# Allegro board RK3588S_Template_LP4XD200P232SD10H2_30X30_2133MHz_H1R6_V11_20220218YWQ.brd (continued)
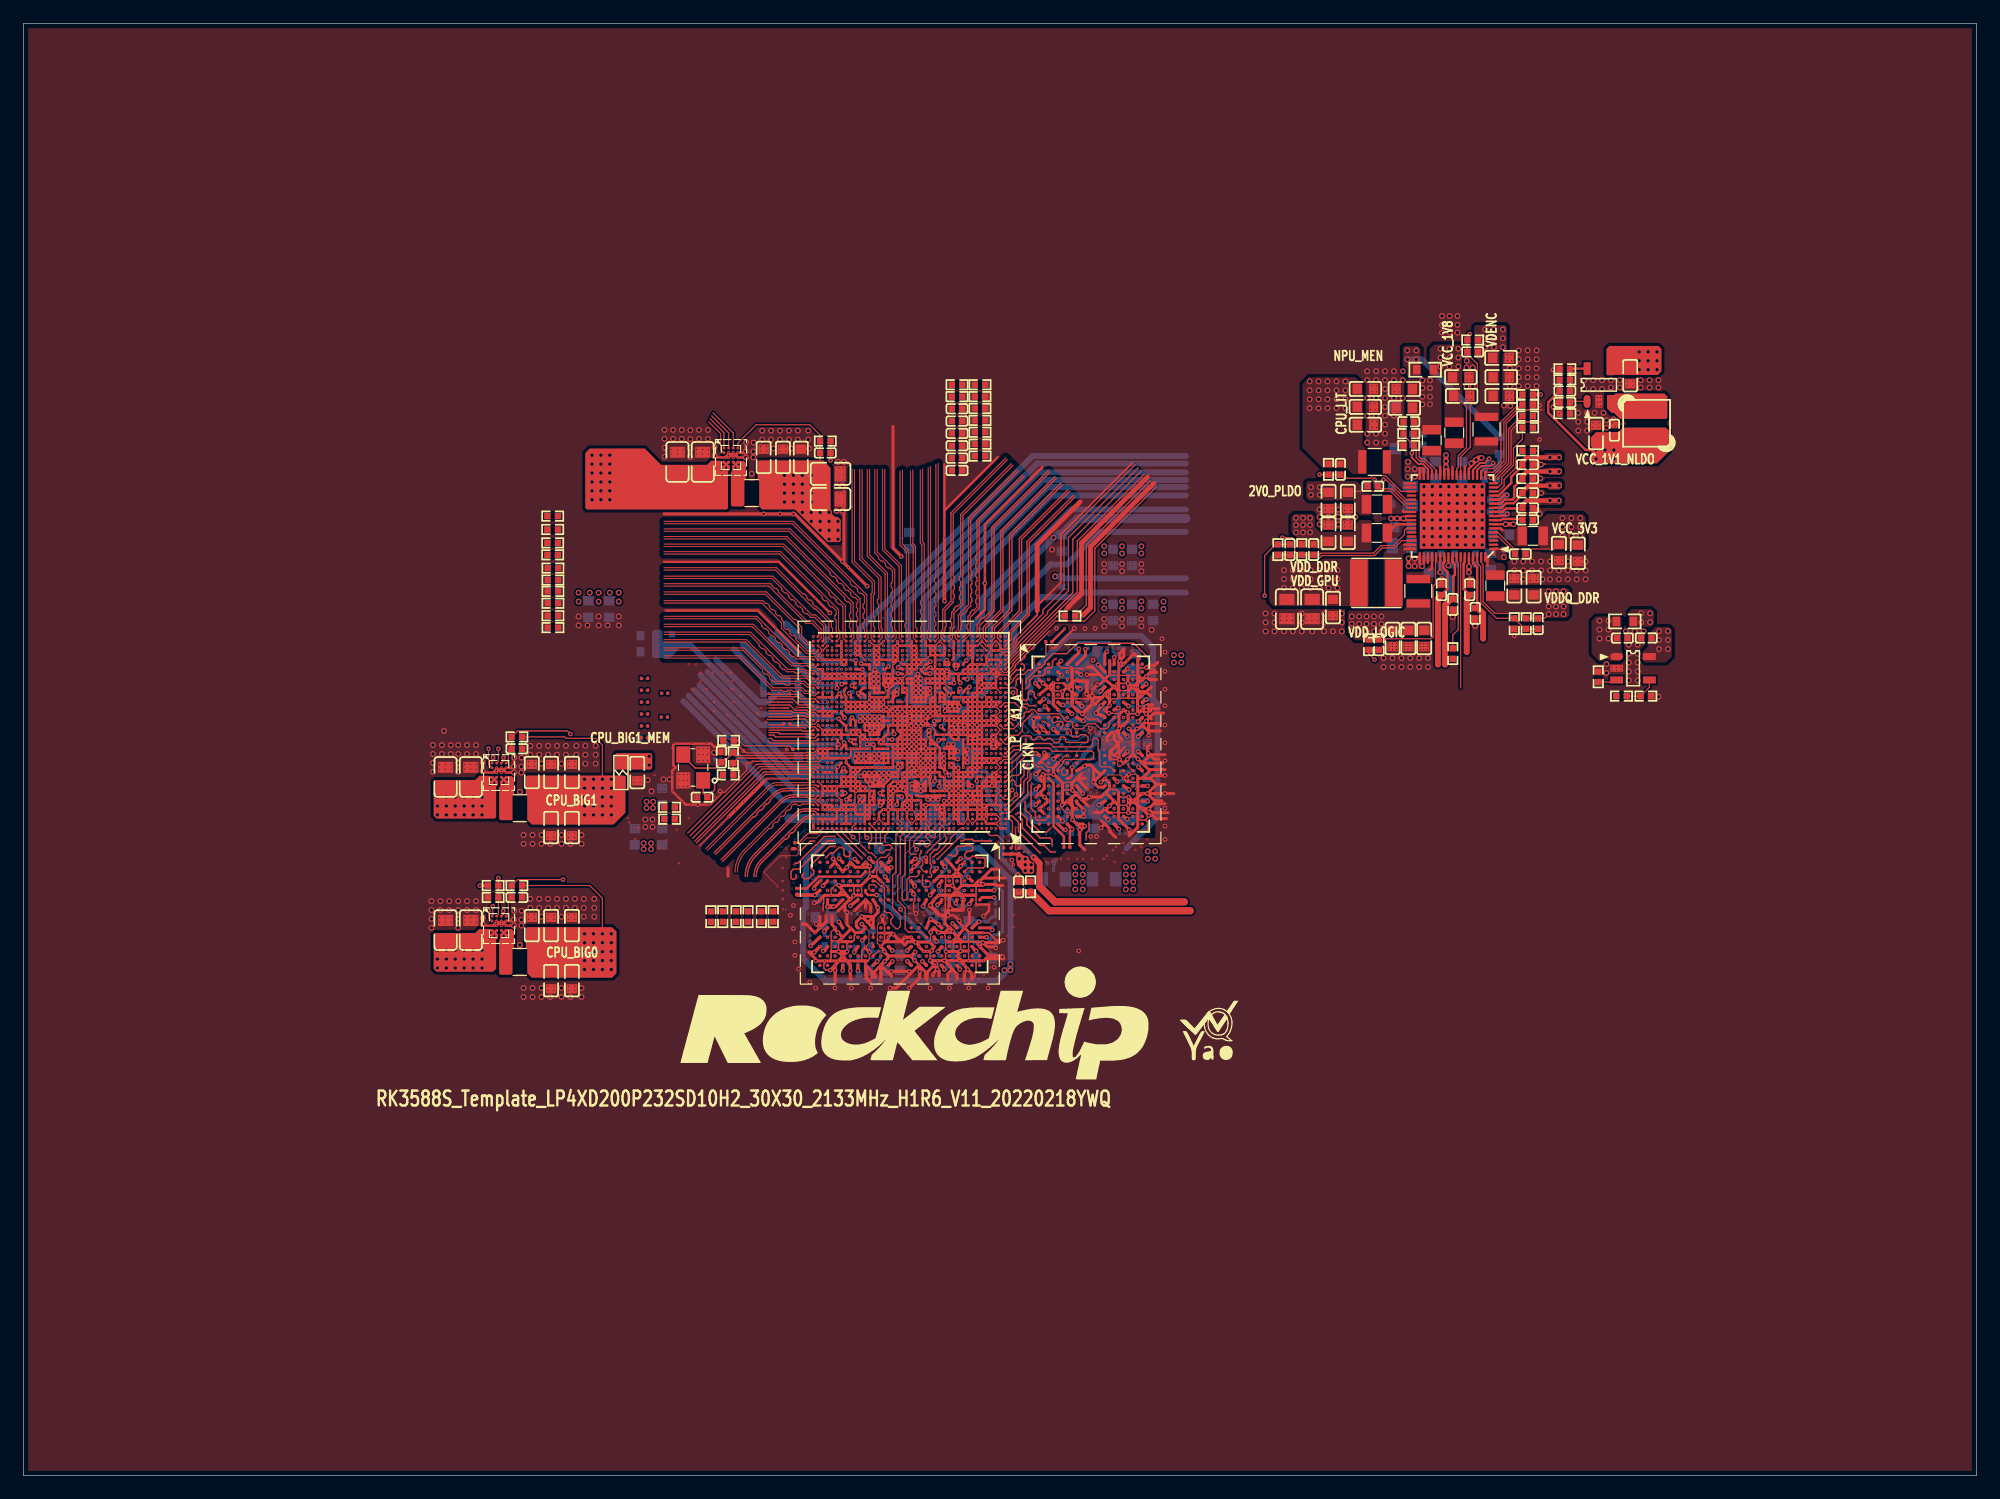
[diagram p0: board, top side]
## Routing (per net, layer and track width the routed paths; a pad name or vN(x,y) marks a point on that pad's centre or on a via; arc(x,y) is an arc through that point) (continued)
VCC1V8_PMU_DDR_S3: length 183.9
  TOP w0.203: U3801.T4 71.95,49.81 72.16,49.61 v1(72.9,49.61) ; U3800.T4 89.38,59.57 89.58,59.78 v1(89.58,60.52) ; U1000.R36 69.89,60.87 v1(69.57,60.55) 69.49,60.48 U1000.N37 ; U1000.V37 69.49,62.33 v1(69.64,62.48) 69.58,62.55 69.58,62.82 U1000.Y37 ; U1000.V36 69.89,62.17 70.08,62.36 70.08,62.37 70.1,62.4 70.1,62.6 v1(70.12,62.62) 70.12,62.57 70.29,62.4 U1000.V35
  TOP w0.254: U3801.U1 v1(71.03,52.67) ; v1(86.52,58.65) U3800.U1
  TOP w0.279: v1(78.69,43.25) U3801.F12 ; v1(78,45.64) 78.01,45.67 U3801.G9 ; v1(87.18,66.36) 86.89,66.07 U3800.F1 ; U3800.U12 v1(96.04,58.92) ; U3801.U12 v1(71.3,43.15) ; U3801.F1 78.45,52.3 v1(78.74,52.02) ; U3800.T9 93.19,59.56 v1(93.45,59.3) ; v1(93.55,65.57) 93.47,65.59 U3800.G9 ; v1(71.68,45.74) 71.94,46 U3801.T9 ; U3801.G4 v1(77.47,49.6) ; U3800.G4 v1(89.59,65.09) ; v1(95.94,66.31) U3800.F12
  L8-S3 w0.203: v4(69.77,62.99) 69.75,63.01 69.75,63.18 69,63.93
  L8-S3 w0.305: v1(70.12,62.62) 70.12,62.69 69.82,62.99 v4(69.77,62.99)
  L8-S3 w0.508: 69,63.93 62.05,63.93 55.88,70.11
  BOTTOM w0.203: v1(70.12,62.62) 70.1,62.64 70.1,62.66 v4(69.77,62.99) ; 69.57,60.7 69.57,60.73
  BOTTOM w0.254: 70.64,53.44 C3887.1 71,52.7 v1(71.03,52.67) ; v1(93.45,59.3) 93.51,59.35 94.62,59.35 95.05,58.92 v1(96.04,58.92) ; v1(72.9,49.61) 73.13,49.61 C3888.1 73.21,49.19 ; v1(71.3,43.15) 71.3,44.15 71.73,44.58 71.73,45.68 v1(71.68,45.74) ; 77.64,49.77 77.64,50.61 78.74,51.71 v1(78.74,52.02) ; v1(87.18,66.36) 87.48,66.36 88.58,65.26 89.42,65.26 ; 95.89,66.31 95.77,66.31 95.62,66.45 95.62,66.55 95.16,67.02 95.06,67.02
  BOTTOM w0.279: C1101.1 69.57,60.7 v1(69.57,60.55) 69.47,60.45 69.3,60.45
  BOTTOM w0.305: 86.06,67.3 C3848.1 ; v1(77.47,49.6) 77.64,49.77 ; 71.53,42.32 71.53,42.93 v1(71.3,43.15) ; 89.42,65.26 v1(89.59,65.09)
  BOTTOM w0.356: C1106.1 v1(69.64,62.48)
  BOTTOM w0.381: 71.53,42.32 71.3,42.55 v1(71.3,43.15) ; 79.4,43.96 79.4,45.26 79.02,45.64 v1(78,45.64) 77.44,45.64 75.4,47.68 74.89,47.68 73.93,48.65 73.75,48.65 73.21,49.19 ; 79.4,43.96 v1(78.69,43.25) ; 79.4,43.96 79.4,42.52 79.63,42.29 ; 95.06,67.02 94.2,67.02 93.55,66.38 v1(93.55,65.57) 93.55,65.07 91.51,63.02 91.51,62.51 90.54,61.55 90.54,61.37 89.69,60.52 v1(89.58,60.52) ; 96.52,66.29 96.5,66.31 v1(95.94,66.31) 95.89,66.31 ; 84.96,57.28 85.95,58.26 C3845.1 86.49,58.62 v1(86.52,58.65)
  BOTTOM w0.457: C1106.1 63.76,62.48
  BOTTOM w0.508: v1(78.74,52.02) 78.74,52.45 79.88,53.59 81.67,53.59 84.33,50.94 v5(84.33,43.69) 84.33,43.43 ; 73.07,42.29 68.51,42.29 66.6,44.2 66.6,48.31 66.85,48.56 66.85,52.49 68.59,54.23 69.85,54.23 70.64,53.44 ; 73.07,42.29 83.18,42.29 84.33,43.43 ; 73.07,42.29 C3883.1 ; v5(118.24,95.38) v5(119,95.38) 119.47,95.38 R2210.1 ; 94.23,53.59 96.9,56.26 96.9,65.91 96.52,66.29 96.52,70.74 95.5,71.75 89.28,71.75 85.85,68.33 85.85,67.5 86.06,67.3 ; 63.76,62.48 63.76,62.48 ; 63.76,62.48 65.79,60.45 69.3,60.45 69.57,60.73 ; 63.76,62.48 57.85,68.39 ; 84.33,43.43 v5(84.33,43.18)
  vias: v5(83.82,43.18) v5(96.06,53.34) v5(96.06,52.7) v5(96.7,53.34) v5(96.7,52.7) v5(118.24,96.14) v5(119,96.14)
VCC_1V1_NLDO_S3: length 13.5
  TOP w0.203: v1(126.78,82.17) 126.75,82.17 126.62,82.05 126.24,82.05 126.18,81.99 U2200.9 ; v1(126.75,83.79) 126.52,83.79 126.12,83.39 U2200.13 ; R2306.1 C2326.1 130.28,91.7 130.28,90.83 133.48,87.63 v5(134.37,87.63)
  BOTTOM w0.508: v1(126.78,82.17) 126.43,82.17 C2264.1 C2257.1 126.63,83.79 v1(126.75,83.79)
  vias: v5(134.37,86.87) v5(135.13,87.63) v5(135.13,86.87) v5(135.89,87.63) v5(135.89,86.87)
VCC_1V8_S0: length 42.8
  TOP w0.203: v1(80.01,67.23) 79.89,67.12 U1000.AK11 ; U1000.AJ34 70.69,66.72 v1(70.56,66.85) ; U2200.60 122.1,78.05 122.11,78.04 122.11,78.04 122.3,77.85 122.3,76.96 122.17,76.83 122.17,74.94 C2246.1 ; 71.51,58.1 v1(71.42,58.01) 71.42,57.56 v1(71.48,57.51) 71.63,57.51 71.82,57.7 U1000.G31 U1000.H31 71.51,58.1 ; 73.29,57.25 v1(73.2,57.25) 73.09,57.36 U1000.G28 U1000.G27 73.49,57.45 73.29,57.25
  TOP w0.508: C2246.1 121.97,74.89 121.46,74.38 121.46,69.29
  L8-S3 w0.203: v1(70.56,66.85) 70.36,67.06 70.36,67.82 70.15,68.02 69.39,68.02
  L8-S3 w0.254: v4(79.38,71.12) v4(79.38,70.87) 79.38,69.43 79.25,69.31 79.25,68.72 79.38,68.6 79.38,68.2 79.07,67.9 79.07,67.54 79.38,67.23 v1(80.01,67.23)
  L8-S3 w0.508: v4(64.89,68.07) 64.94,68.12 69.29,68.12 69.39,68.02
  BOTTOM w0.203: 71.9,57.28 C1508.1
  BOTTOM w0.254: C1508.1 71.86,58.01 v1(71.42,58.01)
  BOTTOM w0.279: v1(70.56,66.85) 70.66,66.95 C1906.1
  BOTTOM w0.305: C1902.1 72.98,57.25 v1(73.2,57.25) ; v1(71.48,57.51) 71.36,57.39 C1903.1 71.36,56.44 71.05,56.13 ; v1(71.48,57.51) 71.42,57.56 v1(71.42,58.01) ; v1(71.48,57.51) 71.67,57.51 71.9,57.28 ; v1(80.01,67.23) 80.13,67.11 C1302.1
  BOTTOM w0.508: v4(79.38,70.87) v4(79.38,71.12) 78.92,71.57 R1401.2 ; R1909.2 R1927.2 64.14,68.32 61.47,70.99
  BOTTOM w0.762: 65.4,56.13 71.05,56.13
  vias: v4(64.64,68.07) v4(64.64,67.82) v4(64.89,67.82)
VCC_1V8_S3: length 23.6
  TOP w0.102: U2200.25 122.45,86 122.6,86.15 122.6,87.14 123.29,87.83 123.29,91.34 122.81,91.82
  TOP w0.305: R2261.1 v1(129.63,92.36)
  L8-S3 w0.305: v5(122.6,94.76) 122.6,94.66 123.15,94.11 124.59,94.11 126.33,92.36 v1(129.63,92.36)
  BOTTOM w0.508: 59.18,69.72 62.79,66.12 63.63,66.12 64.14,66.63 R1928.2 R1908.2
  vias: v5(121.07,96.28) v5(121.07,95.52) v5(121.07,94.76) v5(121.84,96.28) v5(121.84,95.52) v5(121.84,94.76) v5(122.6,96.28) v5(122.6,95.52)
VCC_1V8_S3_PLDO6: length 4.1
  TOP w0.152: U2200.20 124.2,85.9 124.57,86.27 125.32,86.27 v1(125.57,86.52)
  BOTTOM w0.381: v1(125.57,86.52) 125.57,86.32 C2248.1 126.11,86.19 R2210.2
VCC_2V0_PLDO_S3: length 7.6
  TOP w0.102: 112.9,84.14 112.94,84.1 116.84,84.1 117.22,83.72 117.22,83.7 118.24,82.69 U2200.41
  TOP w0.152: U2200.59 v5(121.75,77.77)
  BOTTOM w0.508: v5(121.75,77.77) 122.2,77.77 C2247.1
  vias: v5(110,84.45) v5(110,83.8) v5(110.76,84.45) v5(110.76,83.8)
VCC_3V3_S0: length 17.6
  TOP w0.203: U1000.AL33 71,67.3 v1(70.8,67.51) 70.99,67.7 U1000.AM33
  L6-S2 w0.203: 69.65,68.02 70.28,68.02
  L6-S2 w0.254: 68.85,68.82 69.65,68.02 ; 70.28,68.02 v1(70.8,67.51)
  L6-S2 w0.508: 68.85,68.82 62.48,75.18 v3(62.48,80.14)
  BOTTOM w0.279: v1(70.8,67.51) 70.87,67.58 C1907.1
  vias: v5(134.66,73.04) v5(134.66,72.28) v5(134.66,71.52) v5(135.42,73.04) v5(135.42,72.28) v5(135.42,71.52)
VCC_3V3_S3: length 7
  TOP w0.102: U2200.5 125.97,80.59 127.39,79.17 130.79,79.17 C2239.1
  TOP w0.203: R2302.1 v1(38.99,50.42)
  vias: v5(131.49,81.81) v5(131.49,81.04) v5(131.49,80.28) v5(132.25,81.81) v5(132.25,81.04) v5(132.25,80.28) v5(133.01,81.81) v5(133.01,81.04) v5(133.01,80.28) v5(139.74,72.15) v5(139.74,71.39) v5(139.74,70.63) v5(140.5,72.15) v5(140.5,71.39) v5(140.5,70.63)
VCC_5V0_PWREN_H: length 14.4
  L3-S1 w0.076: v2(73.89,70.1) 74.29,70.5 74.29,72.64 74.14,72.8
  L3-S1 w0.102: 74.14,84.23 74.14,72.8
VCC_SYSIN: length 41.2
  TOP w0.102: v5(118.87,85.34) 119.02,85.49 U2200.34 ; v5(118.35,78.36) 118.39,78.36 118.39,78.36 v5(118.87,78.36) v5(118.87,77.7)
  TOP w0.203: 58.44,86.19 58.84,86.59 59.85,86.59 ; 58.44,86.19 U2302.E1 ; 58.44,86.19 C2317.1 ; U2200.43 118.12,81.99 v5(117.91,81.78) 118.05,81.64 U2200.44 ; U2200.54 120,77.99 ; v5(126.65,81.29) U2200.7 ; U2302.E1 59.85,86.2 U2302.D2 ; U2302.E1 59.85,85.6 ; U2200.33 119.65,85.96 119.51,86.11 ; 59.85,85.6 59.85,85 58.99,84.14 ; 59.85,85.6 60.25,86 U2302.E2 59.85,86.59 ; U2200.64 v5(123.5,77.67) ; 59.85,86.59 U2302.D1 ; U2200.22 123.5,86.04 123.7,86.23 v5(123.7,86.49) ; v5(39.18,44.13) 40.04,44.99 40.04,45.59 ; U2300.E1 38.63,46.19 ; U2300.E1 U2300.D2 ; U2300.E1 40.04,45.59 ; 38.63,46.19 C2301.1 ; 38.63,46.19 39.03,46.59 U2300.D1 U2300.E2 40.44,45.99 40.04,45.59 ; U2200.27 121.75,85.97 v5(121.54,86.18) 121.4,86.04 U2200.28 ; U2301.E1 38.63,59.27 ; U2301.E1 U2301.D2 ; U2301.E1 40.04,58.07 v5(39.18,57.21) ; 38.63,59.27 C2302.1 ; 38.63,59.27 39.03,59.67 U2301.D1 U2301.E2 40.44,59.07 40.04,58.67 ; 119.25,86.11 119.3,86.06 U2200.34 ; U2200.53 119.65,78 ; 125.6,78.69 U2200.1 126.04,79.19 ; v5(118.87,78.36) 119,78.49 U2200.52 119.3,77.9
  TOP w0.254: v5(118.35,77.7) v5(118.35,78.36)
  TOP w0.381: v5(127.31,81.29) v5(126.65,81.29) ; v5(121.54,86.18) v5(121.54,86.68) v5(121.54,87.19) ; v5(117.91,81.78) v5(117.37,81.78) v5(116.84,81.78)
  TOP w0.406: v5(123.5,77.17) v5(123.5,77.67) ; v5(124.59,86.95) 124.33,86.95 124.18,86.79 v5(124.11,86.79) 123.8,86.49 v5(123.7,86.49)
  BOTTOM w0.104: v5(118.87,85.34) v5(118.87,86)
  vias: v5(35.37,57.98) v5(35.37,57.21) v5(35.37,56.45) v5(35.37,44.89) v5(35.37,44.13) v5(35.37,43.37) v5(36.13,57.98) v5(36.13,57.21) v5(36.13,56.45) v5(36.13,44.89) v5(36.13,44.13) v5(36.13,43.37) v5(36.9,57.98) v5(36.9,57.21) v5(36.9,56.45) v5(36.9,44.89) v5(36.9,44.13) v5(36.9,43.37) v5(37.66,57.98) v5(37.66,57.21) v5(37.66,56.45) v5(37.66,44.89) v5(37.66,44.13) v5(37.66,43.37) v5(38.42,57.98) v5(38.42,57.21) v5(38.42,56.45) v5(38.42,44.89) v5(38.42,44.13) v5(38.42,43.37) v5(39.18,57.98) v5(39.18,56.45) v5(39.18,44.89) v5(39.18,43.37) v5(48.58,87.19) v5(48.58,86.43) v5(48.58,85.66) v5(48.58,84.9) v5(48.58,84.14) v5(48.58,83.38) v5(49.34,87.19) v5(49.34,86.43) v5(49.34,85.66) v5(49.34,84.9) v5(49.34,84.14) v5(49.34,83.38) v5(50.1,87.19) v5(50.1,86.43) v5(50.1,85.66) v5(50.1,84.9) v5(50.1,84.14) v5(50.1,83.38) v5(118.3,86.61) v5(118.27,86) v5(118.27,85.34) v5(119.51,77.7) v5(126.49,79.12) v5(126.49,78.47) v5(138.05,96.01) v5(138.05,95.25) v5(138.05,94.49) v5(138.81,96.01) v5(138.81,95.25) v5(138.81,94.49) v5(139.57,96.01) v5(139.57,95.25) v5(139.57,94.49)
VCCA: length 3.3
  TOP w0.152: U2200.21 123.85,85.93 124.44,86.52 124.87,86.52 v1(125.22,86.88)
  BOTTOM w0.381: C2254.1 125.08,86.22 125.08,86.72 125.22,86.86 v1(125.22,86.88)
VCCA_1V8_S0: length 293.2
  TOP w0.178: v1(79.08,66.69) 79.13,66.69 79.35,66.9 U1000.AK12
  TOP w0.203: U1000.AM35 70.04,67.7 69.95,67.61 v1(69.93,67.61) ; U1000.AB25 74.29,63.53 74.4,63.42 v1(74.4,63.37) ; v1(79.08,66.69) 79.08,66.84 78.69,67.23 U1000.AL14 ; v1(71.58,69.39) 71.67,69.3 U1000.AT30 U1000.AR30 ; v1(74.74,69.05) 74.83,68.96 75.01,68.96 75.07,68.9 U1000.AR23 ; C2249.1 121.67,75.75 121.67,77.21 121.3,77.58 121.3,77.95 121.39,78.04 121.39,78.04 121.4,78.05 U2200.58 ; 70.08,60.39 69.89,60.2 U1000.N36 ; 70.08,60.39 v1(70.08,60.44) ; 70.08,60.39 70.29,60.19 U1000.N35 ; v1(74.73,68.53) 74.92,68.53 74.95,68.5 U1000.AP23
  TOP w0.229: U1000.G34 70.39,57.7 v1(70.33,57.76) 70.67,58.1 U1000.H34
  TOP w0.508: C2249.1 120.85,74.94 120.85,69.29
  TOP w0.635: 99.69,48.26 87.64,48.26 R2274.1
  L6-S2 w0.152: 78.66,67.79 78.77,67.79 79.32,68.35 79.32,68.64 79.2,68.76 79.2,69.16 79.38,69.34 79.38,70.71
  L6-S2 w0.254: 79.38,70.71 79.33,70.71 78.46,69.85 78.46,67.99 78.66,67.79
  L6-S2 w0.457: v1(79.08,66.69) 78.67,67.11 78.67,67.74 78.66,67.74 78.66,67.79 ; v5(88.15,76.83) 81.98,76.83 81.38,76.23 81.38,75.54 80.21,74.37 80.21,71.45 79.48,70.71 79.38,70.71
  L8-S3 w0.191: 72.06,63.25 71.04,64.27
  L8-S3 w0.203: v1(74.4,63.37) 74.37,63.35 73.89,63.35 73.79,63.25 72.42,63.25 72.06,63.25 ; 71.04,64.27 69.34,64.27 69.06,64.54
  L8-S3 w0.254: v1(74.73,68.53) 74.82,68.53 75.17,68.87 75.17,69.71
  L8-S3 w0.305: 75.17,69.71 75.19,69.73 75.19,71.82 74.37,72.64
  L8-S3 w0.508: 74.37,72.64 72.39,72.64 63.8,81.23 63.8,85.77 64.52,86.49 67.56,86.49 68.71,87.63 108.15,87.63 ; v4(66.78,64.54) v4(67.03,64.54) 69.06,64.54
  BOTTOM w0.254: 75.61,70.87 C1404.1 C1403.1 75.61,69.72 75.35,69.47 75.07,69.47 74.74,69.14 v1(74.74,69.05) ; C1104.1 74.4,63.37 v1(74.4,63.37) ; v1(70.08,60.44) 70.08,60.2 ; 68.93,68.2 69.09,68.2
  BOTTOM w0.279: v1(71.58,69.39) 71.58,70.12 C1609.1 C1610.1 71.43,71.43 ; C1600.1 70.15,67.84 v1(69.93,67.61) 69.7,67.84 C1601.1 69.61,67.88 69.41,67.88 69.09,68.2 ; v1(74.73,68.53) 74.6,68.53 74.4,68.73 C1506.1 ; 69.72,59.79 C1100.1 70.08,59.84 70.08,60.2 ; C1802.1 70.64,58.07 v1(70.33,57.76)
  BOTTOM w0.305: v1(70.33,57.76) 70.34,57.75 C1803.1 70.08,57.15 68.83,57.15 68.33,57.66 64.9,57.66
  BOTTOM w0.508: 75.61,70.87 75.61,74.59 86.74,85.72 99.31,85.72 ; 69.72,59.79 65.52,59.79 57.76,67.54 ; v5(88.15,76.83) C1716.1 88.89,76.67 99.31,76.67 ; 68.93,68.2 68.32,68.2 64.43,72.09 ; 58.43,68.67 62.97,64.13 C1114.1 ; R1402.2 77.6,74.55 87.5,84.45 99.31,84.45 ; 71.43,71.43 71.43,72.31 86.23,87.12 99.31,87.12 ; 56.39,66.17 64.9,57.66
  vias: v4(66.55,64.54)
VCCA_3V3_S0: length 35.5
  TOP w0.203: v1(80.57,69.65) 80.29,69.37 U1000.AT10 ; C2251.1 123.05,75.76 123.05,77.85 123.05,77.86 123.05,77.95 123.15,78.05 U2200.63
  TOP w0.508: 123.32,70.36 123.32,74.99 C2251.1
  BOTTOM w0.254: C1405.1 80.79,69.87 v1(80.57,69.65)
  BOTTOM w0.406: C1405.1 81.1,69.9 81.1,70.23
  BOTTOM w0.508: 81.1,70.23 81.1,72.72 81.91,73.53 81.91,74.94 89.53,82.55 99.31,82.55
  vias: v5(138.22,73.68) v5(138.22,72.92) v5(138.98,73.68) v5(138.98,72.92)
VCCIO5: length 15.6
  TOP w0.203: U1000.AC34 70.69,64.67 v1(70.79,64.77) 71.09,64.47 U1000.AC33
  L8-S3 w0.254: 68.79,65.16 70.38,65.16 70.76,64.77 v1(70.79,64.77)
  L8-S3 w0.508: v4(63.24,67.18) 65.27,65.16 68.79,65.16
  BOTTOM w0.279: v1(70.79,64.77) 70.56,64.54 C1905.1
  BOTTOM w0.508: R1928.1 v4(63.24,67.18) v4(63.24,67.44) R1927.1 63.24,68.08 60.71,70.61
  vias: v4(62.99,67.44) v4(62.99,67.18)
VCCIO5_1V8: length 6.6
  TOP w0.203: v1(70.15,64.73) 70.15,64.85 69.89,65.11 U1000.AF36
  BOTTOM w0.203: C1904.1 69.73,65.15 69.81,65.07 69.85,65.07 70.15,64.77 v1(70.15,64.73)
  BOTTOM w0.254: 68.58,65.53 68.96,65.53 69.34,65.15 C1904.1
  BOTTOM w0.508: 68.58,65.53 67.85,65.53 67.72,65.66 67.32,65.66 R1908.1 R1909.1
VCCIO_FLASH: length 18.2
  TOP w0.203: U1000.AB35 U1000.AC35 70.17,64.1 69.65,64.62 v1(69.65,64.67)
  BOTTOM w0.254: v1(69.65,64.67) 68.85,64.67 C1300.1
  BOTTOM w0.508: C4003.1 56.99,70.97 62.91,65.05 67.48,65.05 67.74,64.79 C1300.1
VCCIO_SD_S0: length 33.2
  TOP w0.178: U1000.AK10 80.39,67 80.39,67.08 80.57,67.26 80.7,67.26 v1(80.82,67.39)
  TOP w0.203: C2253.1 124.21,74.29 124.21,77.6 124.08,77.72 124.08,77.73 123.85,77.96 U2200.65
  TOP w0.508: C2253.1 124.25,74.13 124.71,73.66 124.71,71.5
  BOTTOM w0.254: C1301.1 80.74,67.27 80.82,67.36 v1(80.82,67.39)
  BOTTOM w0.305: 81.15,66.67 81.04,66.79 C1301.1
  BOTTOM w0.406: 83.74,69.18 82.42,67.86 82.42,67.2 81.9,66.67 81.15,66.67
  BOTTOM w0.457: 83.74,69.18 83.74,69.58 84.67,70.51 84.67,70.74
  BOTTOM w0.508: 99.31,75.45 90.43,75.45 90.04,75.06 86.99,75.06 84.67,72.73 84.67,70.74
VDD2_DDR_S3: length 82.8
  TOP w0.102: R2218.1 119.25,88.59 119.25,87.03 119.41,86.88 119.74,86.88 120.7,85.92 U2200.30
  TOP w0.203: v1(89.59,55.24) 89.41,55.05 89.41,53.98 89.4,53.97 R3801.2
  TOP w0.254: 91.44,59.27 v1(91.42,59.25) 91.85,58.82 92.29,58.82 U3800.U8 ; 91.44,59.27 92.03,59.86 ; 91.44,59.27 91.44,60.45 ; U3801.R1 v1(72.28,52.72) ; v1(71.63,47.77) 72.15,47.26 ; v1(71.63,47.77) 72.67,47.77 ; v1(71.63,47.77) 71.16,47.3 71.16,46.95 U3801.U8 ; 72.15,47.26 U3801.R8 72.6,47.71 ; 72.15,47.26 72.6,47.71 ; 72.6,47.71 72.67,47.77 ; 72.67,47.77 73,48.11 v1(73,48.53) ; v1(86.31,64.66) 86.31,63.97 v1(86.51,63.77) ; U3801.A4 v1(82.93,50) ; 92.03,59.86 U3800.R8 ; 92.03,59.86 91.44,60.45 ; U3800.A4 90.18,70.31 v1(90.18,70.63) ; 91.44,60.45 91.19,60.71 90.74,60.71 v1(90.66,60.62) ; U3801.N1 74.09,52.58 v1(74.09,52.71) ; U3800.N1 86.61,61.71 v1(86.48,61.71) ; U3801.A9 v1(82.3,46) ; U3800.R1 86.5,59.93 v1(86.5,59.93) ; U3800.A9 v1(93.19,69.92)
  TOP w0.279: U3801.N12 v1(74.24,43.94) ; v1(88.01,63.78) 88.32,63.47 U3800.K3 ; U3800.R5 v1(90.66,60.62) ; U3801.K3 76.13,50.35 v1(76.15,50.34) ; U3801.F8 v1(78.18,47.11) 77.53,47.53 77.53,47.54 v1(77.52,47.54) 77.45,47.51 U3801.H8 ; U3800.K10 v1(94.33,63.14) ; v1(86.31,64.66) 86.43,64.77 U3800.H1 ; v1(86.51,63.77) 86.51,63.75 U3800.K1 ; v1(76.2,52.7) 76.15,52.7 75.85,52.4 U3801.K1 ; v1(90.56,64.48) U3800.H5 ; U3801.N3 73.63,51.15 v1(73.63,51.17) ; U3800.F5 90.22,66 90.33,65.78 v1(90.42,65.75) ; U3800.AB4 v1(89.59,55.24) ; U3800.H12 v1(95.25,64.44) ; U3800.AB9 93.59,55.25 v1(93.6,55.24) ; U3801.AB9 67.26,45.26 v1(67.26,45.26) ; U3801.R5 v1(73,48.53) ; U3800.N10 v1(94.33,61.86) ; U3800.K12 v1(95.25,63.14) ; U3800.N3 v1(88.02,61.23) ; U3801.K12 v1(75.51,43.94) ; U3801.R12 v1(72.94,43.94) ; v1(76.86,48.63) U3801.H5 ; U3801.H1 77.15,52.73 v1(77.09,52.8) ; U3801.F5 78.38,48.97 78.13,48.84 v1(78.1,48.77) ; U3800.H8 92.36,64.85 v1(91.65,65.14) 91.65,65.15 91.66,65.15 v1(92.08,65.8) U3800.F8 ; v1(90.51,58.28) U3800.U5 ; U3800.N12 v1(95.25,61.86) ; U3800.R12 v1(95.28,60.54) ; U3801.K10 v1(75.51,44.86) ; v1(70.66,48.69) U3801.U5 ; U3801.H12 v1(76.81,43.94) ; U3801.AB4 v1(67.61,49.6) ; U3801.N10 v1(74.24,44.86)
  TOP w0.305: v1(67.61,49.6) 66.13,49.6 R3803.2
  BOTTOM w0.102: C3868.1 72.55,51.54 72.2,51.54 71.28,50.62 71.28,49.31 70.66,48.69 v1(70.66,48.69)
  BOTTOM w0.254: 78.01,48.08 78.01,47.57 ; 78.01,48.08 78.01,48.51 78.1,48.61 v1(78.1,48.77) ; 78.01,48.08 77.42,48.08 ; 78.01,47.57 77.52,47.57 ; 78.01,47.57 78.01,47.28 v1(78.18,47.11) ; C3875.1 67.67,49.55 v1(67.61,49.6) ; v1(77.09,52.8) 76.79,52.8 C3880.1 76.37,52.7 v1(76.2,52.7) ; 77.52,47.57 v1(77.52,47.54) 77.52,47.57 ; 77.52,47.57 77.47,47.62 77.47,48.03 77.42,48.08 ; v1(88.02,61.23) 87.89,61.11 87.17,61.11 86.57,61.71 v1(86.48,61.71) ; 93.45,70.17 C3829.1 ; 93.45,70.17 93.34,70.17 93.09,70.43 93.09,70.94 92.84,71.19 90.12,71.19 89.87,70.94 C3835.1 v1(90.18,70.63) ; 93.45,70.17 v1(93.19,69.92) ; 91.12,65.04 91.12,65.63 ; 91.12,65.04 91.17,65.09 91.57,65.09 91.62,65.14 ; 91.12,65.04 v1(90.56,64.48) ; 91.12,65.63 90.68,65.63 90.58,65.73 90.45,65.73 v1(90.42,65.75) ; 91.12,65.63 91.62,65.63 ; v1(86.51,63.77) 86.49,63.79 86.49,64.15 86.62,64.28 ; v1(95.28,60.54) 95.02,60.8 C3839.1 ; 77.42,48.08 v1(76.86,48.63) ; v1(82.3,46) 82.55,45.74 ; 82.55,45.74 C3871.1 ; 82.55,45.74 82.55,45.85 82.93,46.23 83.39,46.23 83.64,46.48 83.64,49.96 83.39,50.21 C3872.1 83.01,50.08 v1(82.93,50) ; v1(73,48.53) 73.03,48.5 73.03,48.18 ; v1(92.08,65.8) 91.91,65.63 91.62,65.63 ; C3837.1 89.65,55.18 v1(89.59,55.24) ; 91.62,65.14 v1(91.65,65.14) 91.62,65.14 ; 91.62,65.14 91.62,65.63 ; v1(72.94,43.94) 73.21,44.2 C3877.1 ; 91.01,60.65 90.69,60.65 v1(90.66,60.62) ; C3834.1 93.66,55.18 v1(93.6,55.24) ; v1(74.09,52.71) 74.09,52.63 73.49,52.02 73.49,51.32 v1(73.63,51.17)
  BOTTOM w0.305: v1(76.15,50.34) 76.18,50.37 76.18,50.74 ; C3873.1 67.23,45.29 v1(67.26,45.26) ; v1(88.01,63.78) 88.04,63.78 88.06,63.8 88.45,63.8
  vias: v5(94.19,51.99) v5(94.19,51.36) v5(94.19,50.72) v5(94.19,50.09) v5(94.82,51.99) v5(94.82,51.36) v5(94.82,50.72) v5(94.82,50.09) v5(119.52,93.58) v5(119.52,92.93) v5(119.52,92.18) v5(119.52,91.53) v5(120.18,93.58) v5(120.18,92.93) v5(120.18,92.18) v5(120.18,91.53)
VDD_0V75_S3: length 25.1
  TOP w0.203: U1000.AJ37 69.49,66.57 v1(69.72,66.8) 69.72,66.75 69.89,66.58 U1000.AJ36 ; U2200.14 126.04,83.74 127.12,84.81 127.12,85.33 128.07,86.29 C2255.1
  TOP w0.381: C2255.1 128.07,86.61 128.45,87 v5(130.43,87) v5(131.21,87)
  L8-S3 w0.279: v1(69.72,66.8) 69.68,66.84 69.03,66.84
  L8-S3 w0.305: 68.61,66.42 69.03,66.84
  L8-S3 w0.508: 68.61,66.42 65.15,66.42 57.57,74
  BOTTOM w0.254: 69.93,67.01 v1(69.72,66.8) 69.27,66.34
  BOTTOM w0.279: C1125.1 69.27,66.34 ; 69.93,67.01 C1105.1
VDD_CPU_BIG0_S0: length 90
  TOP w0.102: U2300.A4 41.43,47.98 41.43,49.12 C2306.2 R2300.2 42.22,50.93 v1(46.1,50.93) ; C2306.1 R2300.1 48.39,50.42 49.47,49.34 v5(49.47,46.29)
  TOP w0.203: v1(73.53,60.05) 73.53,59.72 v1(73.46,59.64) ; v1(73.53,60.05) 73.54,60.06 73.93,60.06 ; v1(73.53,60.05) v1(73.13,60.05) ; 73.89,60.1 v2(74.7,60.1) 74.73,60.13 v1(74.73,60.53) ; 73.89,60.1 U1000.N25 ; 73.89,60.1 73.93,60.06 ; v1(72.35,59.09) 72.29,59.03 ; v1(72.35,59.09) 72.49,59.23 v1(72.8,59.23) ; v1(72.35,59.09) 72.23,59.09 71.93,59.39 71.93,59.7 ; 72.29,59.03 U1000.M30 ; 72.29,59.03 U1000.K30 U1000.K29 ; v1(73.46,59.64) 73.46,59.43 73.25,59.23 73.17,59.23 ; v1(73.46,59.64) 73.15,59.64 U1000.M28 ; v1(73.46,59.64) v1(73.9,59.64) ; U1000.K27 73.49,59.01 73.9,59.42 v1(73.9,59.64) ; U1000.K27 73.17,59.23 ; U1000.K27 U1000.K28 ; v1(74.73,60.53) 74.69,60.56 U1000.R24 U1000.R23 U1000.P23 ; v1(74.73,60.53) 74.75,60.5 U1000.P23 ; v1(73.9,59.64) 73.9,60.01 v1(73.95,60.06) 73.93,60.06 ; v1(73.9,59.64) 74.04,59.64 74.1,59.7 U1000.M25 ; U1000.P23 75.09,60.5 v2(75.06,60.5) ; 73.06,60.01 73.09,60.01 v1(73.13,60.05) ; 73.06,60.01 73.09,59.98 U1000.M28 ; 73.06,60.01 72.74,59.7 ; 73.17,59.23 v1(72.8,59.23) ; v1(72.8,59.23) 72.69,59.12 ; v1(72.8,59.23) 73.09,58.94 ; U1000.M30 71.93,59.7 ; U1000.M30 U1000.M29 ; U1000.M30 72.29,60.01 v1(72.27,60.04) ; 71.93,59.7 v1(72.27,60.04) ; 71.93,59.7 71.89,59.7 ; v1(73.13,60.05) v1(72.69,60.05) ; U1000.K28 U1000.K29 ; U1000.K28 73.09,58.94 ; U1000.K29 72.69,59.12 ; 73.09,58.94 U1000.M28 ; U1000.N25 U1000.M25 ; U1000.N25 U1000.N24 U1000.M24 U1000.M25 ; U1000.M29 72.69,59.12 ; U1000.M29 72.69,59.7 v1(72.69,60.05) ; U1000.M29 72.74,59.7 ; U1000.M28 72.74,59.7 ; v1(72.69,60.05) 72.28,60.05 v1(72.27,60.04) ; v1(72.27,60.04) v1(71.86,60.04) ; 71.89,59.7 71.89,60.01 v1(71.86,60.04) ; 71.89,59.7 71.62,59.7 v1(71.55,59.77) 71.82,60.04 v1(71.86,60.04)
  L2-GND1 w0.254: v2(75.06,60.5) 74.75,60.5 v1(74.73,60.53) 74.73,60.13 v2(74.7,60.1)
  L2-GND1 w0.305: v1(73.53,60.05) 73.46,59.97 v1(73.46,59.64) v1(73.9,59.64) 73.95,59.69 v1(73.95,60.06) 73.94,60.05 v1(73.53,60.05) ; v1(73.53,60.05) v1(73.13,60.05) v1(72.69,60.05) 72.69,60.04 v1(72.27,60.04) v1(71.86,60.04) 71.82,60.04 v1(71.55,59.77)
  L3-S1 w0.203: 74.98,60.1 v3(75.03,60.15) 75.06,60.17 v2(75.06,60.5) 75.03,60.53 v1(74.73,60.53) 74.7,60.5 v2(74.7,60.1) 74.98,60.1
  L3-S1 w0.305: v1(73.53,60.05) v1(73.13,60.05) v1(72.69,60.05) 72.28,60.05 v1(72.27,60.04) v1(71.86,60.04) 71.59,59.77 v1(71.55,59.77) ; v1(73.53,60.05) 73.53,59.72 v1(73.46,59.64) v1(73.9,59.64) ; v1(73.53,60.05) 73.54,60.06 v1(73.95,60.06) ; v1(72.8,59.23) 72.67,59.09 v1(72.35,59.09)
  L5-POWER2 w0.102: 69.47,59.82 69.06,60.22 64.19,60.22 60.94,56.98 56.65,56.98 54.12,54.45 49.27,54.45 46.1,51.28 v1(46.1,50.93) ; v1(73.53,60.05) 73.56,60.07 73.91,60.07 73.93,60.06 v1(73.95,60.06)
  L6-S2 w0.203: v1(73.95,60.06) 74.26,60.06 v1(74.73,60.53)
  L8-S3 w0.305: v1(71.55,59.77) 71.59,59.77 v1(71.86,60.04) v1(72.27,60.04) 73.93,60.04 v1(73.95,60.06) 73.95,59.69 v1(73.9,59.64) v1(73.46,59.64) 73.46,59.97 v1(73.53,60.05) ; v1(74.73,60.53) 75.03,60.22 v3(75.03,60.15)
  L9-GND3 w0.305: v1(71.55,59.77) 71.59,59.77 v1(71.86,60.04) v1(72.27,60.04) 73.93,60.04 v1(73.95,60.06) 73.95,59.69 v1(73.9,59.64) v1(73.46,59.64) 73.46,59.97 v1(73.53,60.05) ; v1(72.35,59.09) 72.67,59.09 v1(72.8,59.23)
  BOTTOM w0.102: v1(72.69,60.05) 72.36,59.71 71.88,59.71
  BOTTOM w0.203: 74.59,59.99 74.73,60.14 v1(74.73,60.53)
  BOTTOM w0.305: v1(73.95,60.06) 73.98,60.03 74,60.03 74.04,59.99 74.46,59.99
  vias: v5(47.94,46.29) v5(47.94,45.53) v5(47.94,44.77) v5(47.94,44.01) v5(47.94,43.24) v5(48.71,46.29) v5(48.71,45.53) v5(48.71,44.77) v5(48.71,44.01) v5(48.71,43.24) v5(49.47,45.53) v5(49.47,44.77) v5(49.47,44.01) v5(49.47,43.24) v5(50.23,46.29) v5(50.23,45.53) v5(50.23,44.77) v5(50.23,44.01) v5(50.23,43.24) v5(53,54.03) v5(53,53.52) v5(53.63,54.03) v5(53.63,53.52)
VDD_CPU_BIG1_MEM_S0: length 3.6
  TOP w0.203: U1000.V26 U1000.V27 U1000.V28 U1000.V29 72.69,62.39 v1(72.62,62.46) 72.58,62.5 v1(72.09,62.5)
  L2-GND1 w0.305: v1(72.09,62.5) 72.58,62.5 v1(72.62,62.46)
  L3-S1 w0.305: v1(72.09,62.5) 72.58,62.5 v1(72.62,62.46)
  L8-S3 w0.203: v4(59.56,61.21) v3(59.94,61.21)
  vias: v5(53.47,61.47) v5(53.47,60.71)
VDD_CPU_BIG1_S0: length 89.4
  TOP w0.102: v5(49.47,59.5) 49.47,62.42 48.89,62.99 46.35,62.99 46.23,63.12 42.61,63.12 C2310.1 ; v1(46.74,63.37) 46.48,63.63 42.22,63.63 R2301.2 C2310.2 41.43,61.82 41.43,61.06 U2301.A4
  TOP w0.203: U1000.R31 U1000.R32 ; U1000.R31 71.98,60.99 v1(71.98,61.26) ; U1000.R31 U1000.R30 ; U1000.R32 U1000.R33 ; U1000.R32 71.58,60.99 v1(71.58,61.26) ; 71.99,61.26 v1(71.98,61.26) ; 71.99,61.26 71.99,61.26 72.34,61.26 ; 71.99,61.26 v1(71.99,61.66) ; v1(71.98,61.26) 71.58,61.26 v1(71.58,61.26) ; v1(71.58,61.67) 71.58,61.27 v1(71.58,61.26) ; v1(71.58,61.67) 71.59,61.66 v1(71.99,61.66) ; v1(71.58,61.67) 71.2,61.67 ; v1(72.69,61.67) v1(72.69,61.26) ; v1(72.69,61.67) 72.69,61.66 72.34,61.66 ; v1(72.69,61.67) v1(73.13,61.67) ; v1(72.69,61.26) 72.69,60.9 U1000.R29 ; v1(72.69,61.26) v1(73.1,61.26) ; v1(72.69,61.26) 72.34,61.26 ; v1(73.1,61.26) 73.1,60.91 U1000.R28 ; v1(73.1,61.26) 73.13,61.29 ; v1(71.58,61.26) 71.2,61.26 ; 71.2,61.26 71.2,61 U1000.R33 ; 71.2,61.26 71.11,61.26 71.07,61.23 ; 71.2,61.26 71.2,61.67 ; v1(73.13,61.67) 73.13,61.67 73.16,61.7 73.48,61.7 ; v1(73.13,61.67) 73.13,61.29 ; U1000.R27 U1000.R28 ; U1000.R27 U1000.R26 U1000.T26 ; U1000.R27 73.49,61.29 73.48,61.3 ; U1000.R28 U1000.R29 ; v1(71.99,61.66) 72.34,61.66 ; 73.48,61.3 73.14,61.3 73.13,61.29 ; 73.48,61.3 73.48,61.7 ; 73.48,61.3 U1000.T26 ; U1000.R30 72.34,60.95 72.34,61.26 ; U1000.R30 U1000.R29 ; U1000.R33 71.09,61.15 71.07,61.18 71.07,61.23 ; 72.34,61.66 72.34,61.26 ; 71.2,61.67 71.17,61.64 71.17,61.62 71.07,61.52 71.07,61.23 71.07,61.23 ; U1000.T26 U1000.U26 73.48,61.7